# Altium PCB EMDO601_Patch.PcbDoc (part 1 of 3) (continued)
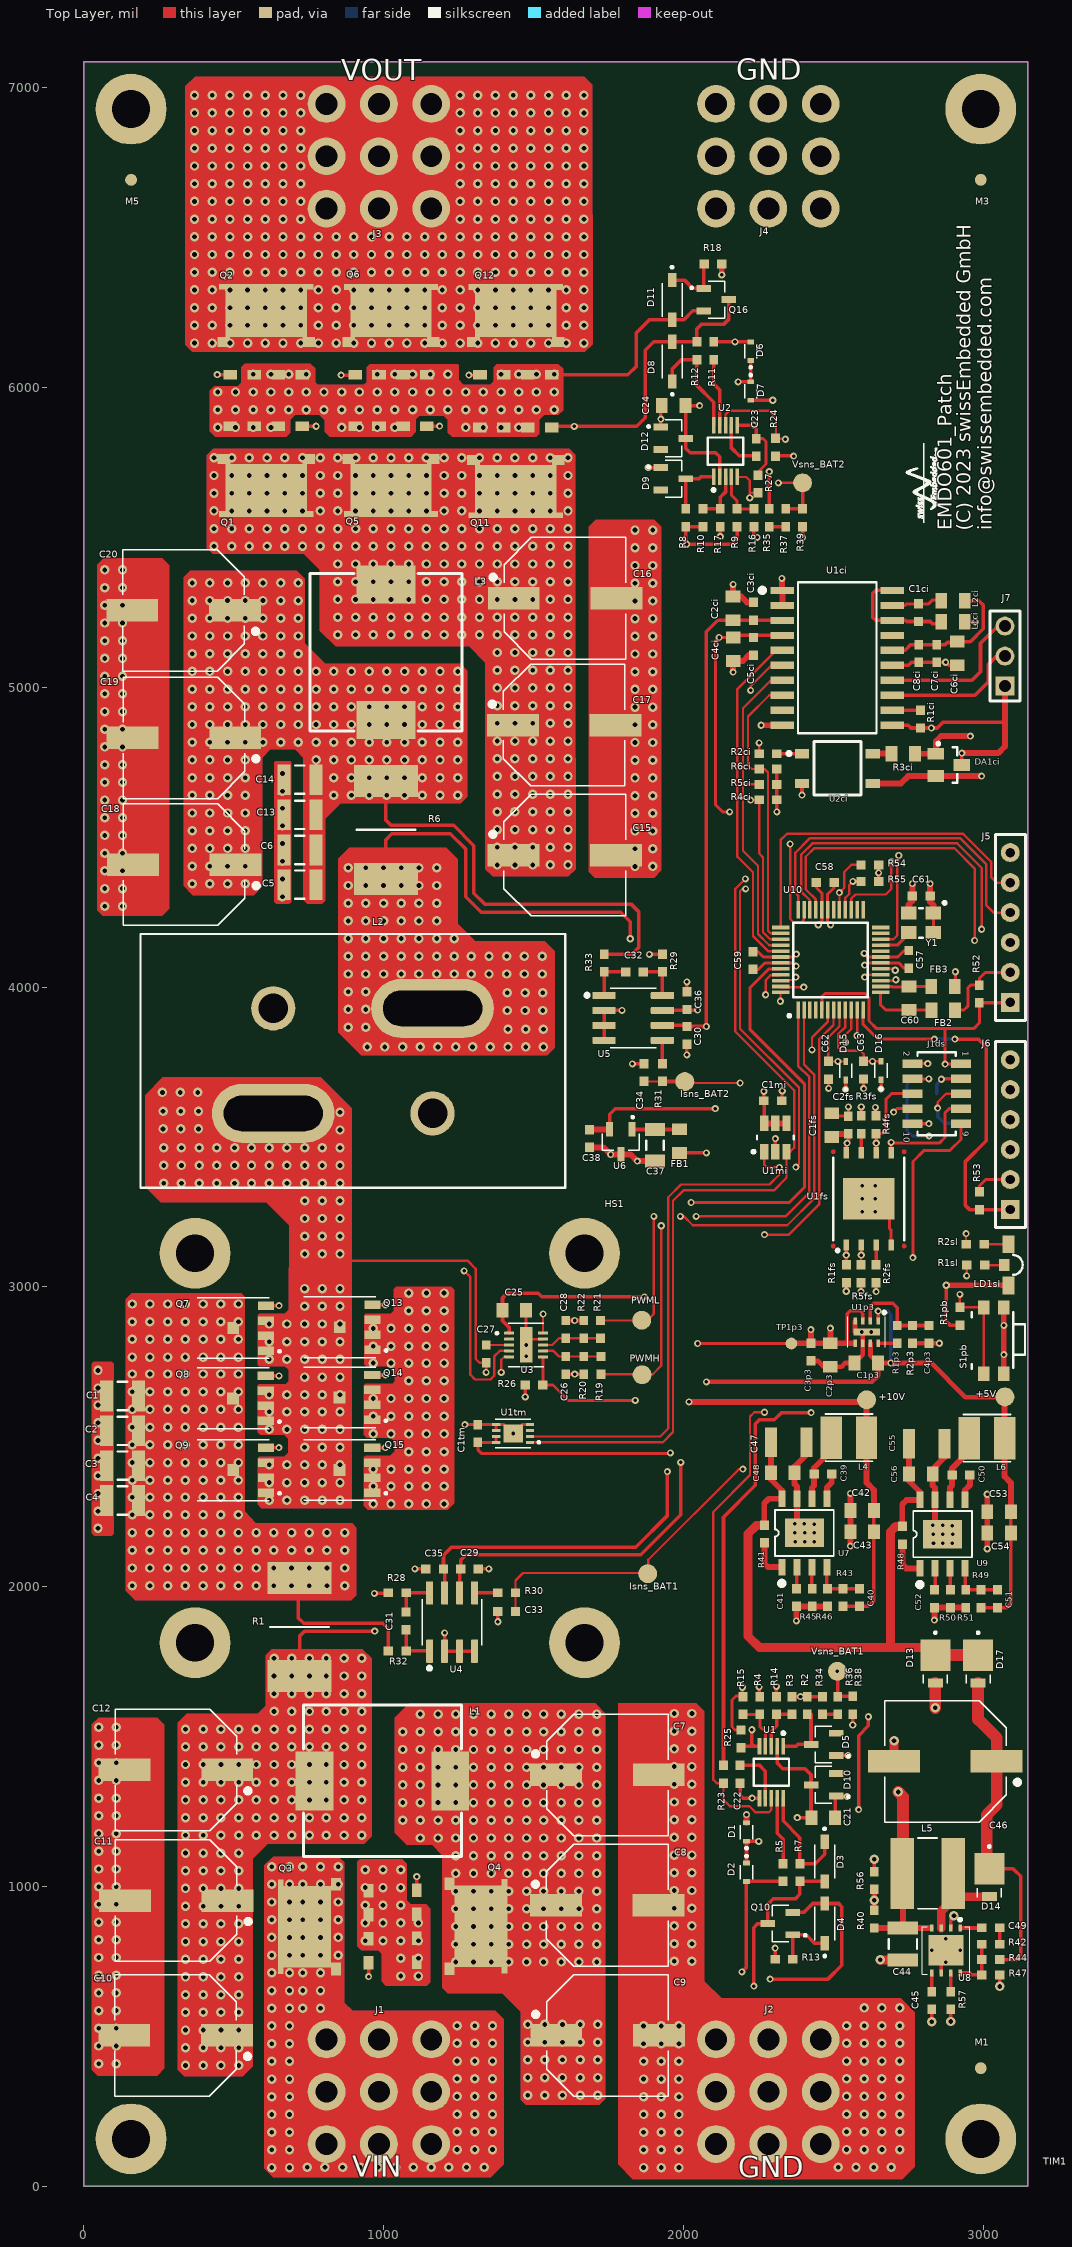
[diagram p0: Top Layer view]
## Footprints (in the part's own frame and the unit in brackets; to place one, negate y for a bottom-side part, rotate by r counter-clockwise, add the part's x,y. Pads: shape width x height; smd on the part's side, far side on the other; paste and mask are expansions set on the pad) (continued)
  silkscreen extent -2.2,-1.56 0.7,1.56, body extent -1.2,-1.45 1.1,1.45, height 1.1
"SW WURTH" [mm] "Wurth Switch"
  rect 1.2x1 smd: 1(2.8,0.85) 2(2.8,-0.85) 3(-2.8,0.85) 4(-2.8,-0.85)
  silkscreen extent -2.4,-2.65 2.4,1.85, body extent -2.3,-1.65 2.3,1.75, height 1.65
"TI SIL" [mm] "TI MicroSIP"
  rect 0.6x2.25 smd paste-5: 0(0,0)
  rect 0.6x0.3 smd: 1(-0.95,0.975) 2(-0.95,0.325) 3(-0.95,-0.325) 4(-0.95,-0.975) 5(0.95,-0.975) 6(0.95,-0.325) 7(0.95,0.325) 8(0.95,0.975)
  silkscreen extent -1.75,-1.6 1.3,1.6, body extent -1.3,-1.5 1.3,1.5, height 1.41
TIM [mil] "CAPACITOR SMD 1210"
TP [mm] "Testpoint"
  round 1 smd paste-1: 1(0,0)
TP_1 [mm] "Testpoint"
  round 1.6 smd: 1(0,0)
TQFP-48 [mm]
  rect 1.475x0.3 smd: 1(-4.238,2.75) 2(-4.238,2.25) 3(-4.238,1.75) 4(-4.238,1.25) 5(-4.238,0.75) 6(-4.238,0.25) 7(-4.238,-0.25) 8(-4.238,-0.75) 9(-4.238,-1.25) 10(-4.238,-1.75) 11(-4.238,-2.25) 12(-4.238,-2.75) 25(4.238,-2.75) 26(4.238,-2.25) 27(4.238,-1.75) 28(4.238,-1.25) 29(4.238,-0.75) 30(4.238,-0.25) 31(4.238,0.25) 32(4.238,0.75) 33(4.238,1.25) 34(4.238,1.75) 35(4.238,2.25) 36(4.238,2.75)
  rect 0.3x1.475 smd: 13(-2.75,-4.238) 14(-2.25,-4.238) 15(-1.75,-4.238) 16(-1.25,-4.238) 17(-0.75,-4.238) 18(-0.25,-4.238) 19(0.25,-4.238) 20(0.75,-4.238) 21(1.25,-4.238) 22(1.75,-4.238) 23(2.25,-4.238) 24(2.75,-4.238) 37(2.75,4.238) 38(2.25,4.238) 39(1.75,4.238) 40(1.25,4.238) 41(0.75,4.238) 42(0.25,4.238) 43(-0.25,4.238) 44(-0.75,4.238) 45(-1.25,4.238) 46(-1.75,4.238) 47(-2.25,4.238) 48(-2.75,4.238)
  silkscreen extent -4.85,-3.15 3.15,3.62, body extent -4.5,-4.5 4.5,4.5, height 1.2
VSON-10 [mm]
  rrect25% 0.84x0.26 smd: 1(-1.435,1) 2(-1.435,0.5) 3(-1.435,0) 4(-1.435,-0.5) 5(-1.435,-1) 6(1.435,-1) 7(1.435,-0.5) 8(1.435,0) 9(1.435,0.5) 10(1.435,1)
  rect 1.05x3.01 smd paste-3: 11(0,0)
  silkscreen extent -2.57,-1.83 1.5,1.83, body extent -1.5,-1.5 1.5,1.5, height 1
WSON8-LM5001 [mm]
  rect 0.6x0.3 smd: 1(-1.9,1.2) 2(-1.9,0.4) 3(-1.9,-0.4) 4(-1.9,-1.2) 5(1.9,-1.2) 6(1.9,-0.4) 7(1.9,0.4) 8(1.9,1.2)
  round 0.6 hole 0.3: 9(-1,0) 9(0,1.2) 9(0,-1.2) 9(1,0)
  rect 2.6x3 smd: 9(0,0)
  silkscreen extent -2.72,-2 2,2, body extent -2,-2 2,2, height 0.77

## Part data
+5V +10V Isns_BAT1 Isns_BAT2 PWMH PWML Vsns_BAT1 Vsns_BAT2: library part TP, "Testpoint", Manufacturer=None, Manufacturer Part Number="Testpads, do not populate"
C1 C2 C3 C4 C5 C6 C13 C14 C44: library part C3225X7R1N106K250AC, "10uF ±10% 75V", Manufacturer=TDK, Supplier Part Number=810-C3225X7R1N106K25, Manufacturer Part Number=C3225X7R1N106K250AC, Price=0.9, Supplier=mouser
C1ci: library part CAP_YAG_CC0603KRX7R9BB224_X7R, "Capacitor 220n 0603 +-10% 50V", Manufacturer=Yageo, Manufacturer Part Number=CC0603KRX7R9BB224, Package / Case=0603, Tolerance=+-10%, Voltage (V)=50, Capacitor (Farad)=220n, Category=Capacitor, Part Number=CAP_YAG_CC0603KRX7R9BB224_X7R, Thickness (mm)=0.8, Type=X7R
C1fs C1p3 C2ci C2p3 C4ci C6ci C60: library part CAP_YAG_CC0805KRX5R6BB106_X5R, "Capacitor 10u 0805 +-10% 10V", Manufacturer=Yageo, Manufacturer Part Number=CC0805KKX7R6BB106, Package / Case=0805, Part Number=CAP_YAG_CC0805KKX7R6BB106_X7R, Tolerance=+-10%, Voltage (V)=10, Capacitor (Farad)=10u, Category=Capacitor, Thickness (mm)=1.25, Type=X7R
C1mi C1tm C2fs C3p3 C39 C50: library part CAP_YAG_CC0603KRX7R9BB104_X7R, "Capacitor 100n 0603 +-10% 50V", Manufacturer=Yageo, Manufacturer Part Number=CC0603KRX7R9BB104, Package / Case=0603, Tolerance=+-10%, Voltage (V)=50, Capacitor (Farad)=100n, Category=Capacitor, Part Number=CAP_YAG_CC0603KRX7R9BB104_X7R, Thickness (mm)=0.8, Type=X7R
C3ci C5ci C7ci C27 C29 C30 C31 C32 C33 C34 C35 C36: library part CAP_YAG_CC0603KRX7R9BB104_X7R, "100nF ±10% 50V", Manufacturer=Yageo, Manufacturer Part Number=CC0603KRX7R9BB104, Package / Case=0603, Supplier Part Number=603-CC0603KRX7R9BB104, Tolerance=+-10%, Voltage (V)=50, Capacitor (Farad)=100n, Category=Capacitor, Part Number=CAP_YAG_CC0603KRX7R9BB104_X7R, Price=0.1, Supplier=mouser, Thickness (mm)=0.8, Type=X7R
C4p3: library part CAP_YAG_CC0603KRNPO9BN471_NPO, "Capacitor 470p 0603 +-10% 50V", Manufacturer=Yageo, Manufacturer Part Number=CC0603KRNPO9BN471, Package / Case=0603, Supplier Part Number=603-CC0603KRNPO9BN471, Tolerance=+-10%, Voltage (V)=50, Capacitor (Farad)=470p, Category=Capacitor, Part Number=CAP_YAG_CC0603KRNPO9BN471_NPO, Price=0.1, Supplier=Mouser, Thickness (mm)=0.8, Type=NPO
C7 C8 C9 C10 C11 C12: library part "100uF ±20% 80V", "100uF ±20% 80V", Manufacturer="Vishay / BC Components", Manufacturer Part Number=MAL215099702E3, Supplier Part Number=594-MAL215099702E3, Price=2.4, Supplier=Mouser
C8ci: library part CAP_YAG_CC0603KRX7R9BB103_X7R, "Capacitor 10n 0603 +-10% 50V", Manufacturer=Yageo, Manufacturer Part Number=CC0603KRX7R9BB103, Package / Case=0603, Tolerance=+-10%, Voltage (V)=50, Capacitor (Farad)=10n, Category=Capacitor, Part Number=CAP_YAG_CC0603KRX7R9BB103_X7R, Thickness (mm)=0.8, Type=X7R
C15 C16 C17 C18 C19 C20 C46: library part "Cap Pol1", "100uF ±20% 63V", Manufacturer=KEMET, Manufacturer Part Number=A771MS107M1JLAS018, Supplier Part Number=80-A771MS107M1JLAS18, Price=1.26, Supplier=mouser
C21 C24: library part "10nF ±10% 100V", "10nF ±10% 100V", Capacitor (Farad)=10n, Manufacturer=Yageo, Manufacturer Part Number=CC0805KPX7R0BB103, Package / Case=0603, Supplier Part Number=603-CC0805KPX7R0BB103, Tolerance=+-10%, Voltage (V)=100, Category=Capacitor, Price=0.1, Supplier=mouser, Thickness (mm)=0.8, Type=X7R
C22 C23: library part "47nF ±10% 50V", "47nF ±10% 50V", Manufacturer=Yageo, Manufacturer Part Number=CC0603KRX7R9BB473, Package / Case=0603, Supplier Part Number=603-CC0603KRX7R9BB473, Tolerance=+-10%, Voltage (V)=50, Capacitor (Farad)=47n, Category=Capacitor, Price=0.1, Supplier=mouser, Thickness (mm)=0.8, Type=X7R
C25 C42 C43 C53 C54: library part CAP, "10uF ±10% 25V", Manufacturer=Yageo, Manufacturer Part Number=CC0805KKX5R8BB106, Supplier Part Number=603-CC0805KKX5R8BB106, Price=0.3, Supplier=mouser
C26 C28: library part CAP, "100pF ±10% 50V", Manufacturer=Yageo, Manufacturer Part Number=CC0603KRNPO9BN101, Supplier Part Number=603-CC0603KRNPO9BN101, Price=0.1, Supplier=mouser
C37: library part "10uF ± 10% 25V", "10uF ± 10% 25V", Manufacturer=Yageo, Manufacturer Part Number=CC1206KKX7R8BB106, Supplier Part Number=603-CC126KKX7R8BB106, Tolerance=+-10%, Voltage (V)=25, Category=Capacitor, Price=0.44, Supplier=Mouser, Type=X7R
C38: library part "100nF ± 10% 50V", "100nF ± 10% 50V", Manufacturer=Yageo, Manufacturer Part Number=CC0603KRX7R9BB104, Supplier Part Number=603-CC603KRX7R9BB104, Price=0.1, Supplier=Mouser
C40 C51: library part CAP_YAG_CC0603KRNPO9BN681_NPO, "Capacitor 680p 0603 +-10% 50V", Manufacturer=Yageo, Manufacturer Part Number=CC0603KRX7R9BB681, Package / Case=0603, Part Number=CAP_YAG_CC0603KRX7R9BB681_X7R, Tolerance=+-10%, Voltage (V)=50, Capacitor (Farad)=680p, Category=Capacitor, Thickness (mm)=0.8, Type=X7R
C41 C52: library part CAP_YAG_CC0603KRX5R8BB105_X5R, "Capacitor 1.0u 0603 +-10% 25V", Manufacturer=Yageo, Manufacturer Part Number=CC0603KRX5R8BB105, Package / Case=0603, Tolerance=+-10%, Voltage (V)=25, Capacitor (Farad)=1.0u, Category=Capacitor, Part Number=CAP_YAG_CC0603KRX5R8BB105_X5R, Thickness (mm)=0.8, Type=X5R
C45: library part CAP_YAG_CC0603KRX7R9BB105_X7R, "Capacitor 1.0u 0603 +-10% 50V", Manufacturer=Yageo, Manufacturer Part Number=CC0603KRX7R9BB105, Package / Case=0603, Tolerance=+-10%, Voltage (V)=50, Capacitor (Farad)=1.0u, Category=Capacitor, Part Number=CAP_YAG_CC0603KRX7R9BB105_X7R, Thickness (mm)=0.8, Type=X7R
C47 C55: library part GRM32ER71J106KA12L, "CAPACITOR 10u/63V, 1210 X7R", Manufacturer=Murata, Package=1210, Voltage=63V, Category=Capacitors, Manufacturer Part Number=GRM32ER71J106KA12L
C48 C56: library part C0805C104KMRECAUTO, "Capacitor 100n 0603 +-10% 63V", Manufacturer=KEMET, Manufacturer Part Number=C0805C104KMRECAUTO
C49: library part CAP_YAG_CC0603KRX7R9BB222_X7R, "Capacitor 2.2n 0603 +-10% 50V", Manufacturer=Yageo, Manufacturer Part Number=CC0603KRX7R9BB222, Package / Case=0603, Tolerance=+-10%, Voltage (V)=50, Capacitor (Farad)=2.2n, Category=Capacitor, Part Number=CAP_YAG_CC0603KRX7R9BB222_X7R, Thickness (mm)=0.8, Type=X7R
C57 C58 C59 C61: library part CAP_YAG_CC0603KRX7R9BB104_X7R, "Capacitor 100n 0603 +-10% 50V", Manufacturer Part Number=CC0603KRX7R9BB104, Package / Case=0603, Tolerance=+-10%, Voltage (V)=50, Capacitor (Farad)=100n, Category=Capacitor, Part Number=CAP_YAG_CC0603KRX7R9BB104_X7R, Thickness (mm)=0.8, Type=X7R
C62 C63: library part CAP, "1nF ±10% 50V", Manufacturer=Yageo, Manufacturer Part Number=CC0603KRNPO9BN102, Supplier Part Number=603-CC0603KRNPO9BN102, Price=0.1, Supplier=mouser
D1 D2 D6 D7: "Diodes - General Purpose, Power, Switching BAS516/SOD523/SC-79", Manufacturer=Nexperia, Supplier Part Number=771-BAS516-T/R, Manufacturer Part Number=BAS516,115, Price=0.2, Supplier=mouser
D3 D4 D8 D11: "Diode Standard 100 V 300mA (DC) Surface Mount SOD-123", Manufacturer=Diodes, Supplier Part Number=621-1N4148W-F, Manufacturer Part Number=1N4148W-7-F, Price=0.2, Supplier=mouser
D5 D9 D10 D12: library part BZX8450-C68R, "Zener Diodes BZX8450-C68/SOT23/TO-236AB", Manufacturer=Nexperia, Supplier Part Number=771-BZX8450-C68R, Manufacturer Part Number=BZX8450-C68R, Price=0.2, Supplier=mouser
D13 D14 D17: "Schottky Diodes & Rectifiers 100V 3A TMBS SMP", Manufacturer=Vishay, Supplier Part Number=78-V3PM10-M3/H, Manufacturer Part Number=V3PM10-M3/H, Price=0.4, Supplier=mouser
D15 D16: "Schottky Diodes & Rectifiers 40V 150mW", Manufacturer="Diodes Incorporated", Supplier Part Number=621-SDM03U40-F, Manufacturer Part Number=SDM03U40-7, Price=0.23, Supplier=mouser
DA1ci: library part PESD2CANFD27L-T, "PESD2CANFD27L-T protection diode nexperia PESD2CANFD27L-T", Manufacturer=nexperia, Manufacturer Part Number=PESD2CANFD27L-TR
FB1 FB2 FB3: "FERRITE BEAD 1 KOHM 0805 1LN", Manufacturer="Murata Electronics", Manufacturer Part Number=BLM21BD102SN1D
HS1: "Heat Sinks pushPIN Heat Sink, Blue-Anodized, 40x40x20mm", Manufacturer="Advanced Thermal Solutions", Supplier Part Number=984-CPX04004-115C2R0, Manufacturer Part Number=ATS-CPX040040020-115-C2-R0, Price=3.6, Supplier=mouser
J1 J2 J3 J4: "WP-THRSH REDCUBE THR with external thread, M4 x 5mm, 85A", Manufacturer="Wurth Elektronik", Operating Temperature Max=150°C, Operating Temperature Min=-55°C, Rated Current=85A, Supplier Part Number=710-74651195R, Category="REDCUBE THR", ComponentLink1Description="Website Link", ComponentLink1URL=https://www.we-online.com/redexpert/article/74651194R?ad, ComponentLink2Description="Datasheet Link", ComponentLink2URL=https://www.we-online.com/redexpert/spec/74651194R?ad, Height=8.5mm, Length=10mm, Manufacturer Part Number=74651194R, Match Code=WP-THRSH, Material=Brass, Mount="Through Hole Reflow", Number of Pins=9, Packaging="Tape and Reel", Price=3.5, Supplier=Mouser, Surface=Tin, Thread Length=5mm, Thread Size=M4, Width=10mm
J1ds: library part DEBUG_CON, "SWISSEMBEDDED Debug Header for PIC32 1.27mm Socket 2x7 Würth 62301021021", Manufacturer=Würth, Manufacturer Part Number=62301021021
J5 J6: library part 6PinConnector, "6 Pins 2.54mm Pitch Male Connector", Manufacturer="Wurth Elektronik", Manufacturer Part Number=61300611121
J7: "Headers & Wire Housings WR-PHD 2.54mm Hdr 3P Single Str Gold", Manufacturer=Wurth, Supplier Part Number=710-61300311121, Manufacturer Part Number=61300311121, Price=0.13, Supplier=Mouser
L1: library part IHLP5050FDER3R3M5A, "Power Inductors - SMD 3.3uH 20% High Temp AEC-Q200", Manufacturer=Vishay, Supplier Part Number=70-IHLP5050FDR3R3M5A, Manufacturer Part Number=IHLP5050FDER3R3M5A, Price=2.12, Supplier=mouser
L1ci L2ci: library part BLM21PG221SN1, "Murata BLM21PG221SN1 ferrite", Manufacturer=Murata, Manufacturer Part Number=BLM21PG221SN1D
L2: library part 7443763521033, "Power Inductors - Leaded WE-HCFT 3521 3.3uH 20% 75A 0.4mOh", Manufacturer="Wurth Elektronik", Supplier Part Number=710-7443763521033, Manufacturer Part Number=7443763521033, Price=12, Supplier=mouser
L3: library part IHLP5050EZERR22M5A, "Power Inductors - SMD 0.22uH 20% High Temp AEC-Q200", Manufacturer=Vishay, Supplier Part Number=70-IHLP5050EZRR22M5A, Manufacturer Part Number=IHLP5050EZERR22M5A, Price=2.4, Supplier=mouser
L4 L6: library part MPL-SE4030-150, "Power Inductors - SMD SemiShielded Series, size dimension: 403", Manufacturer=MPS, Author="CERN DEM JLC", Manufacturer Part Number=MPL-SE4030-150
L5: library part Inductor, "Power Inductors - SMD 220uH 20% SMD 6045", Manufacturer=Bourns, Manufacturer Part Number=SRN6045-221M, Supplier Part Number=652-SRN6045-221M, Price=0.5, Supplier=mouser
LD1sl: "LED GREEN/RED WTR CLEAR 1204 SM1204BC Bivar", Manufacturer="Bivar Inc", ComponentLink1Description=http://www.bivar.com/portals/0/products/SM1204BC.pdf, ComponentLink1URL=http://www.bivar.com/portals/0/products/SM1204BC.pdf, Manufacturer Part Number=SM1204BC
M1 M2 M3 M4 M5 M6: library part M, Text Field2=-1
Q1 Q2 Q3 Q4 Q5 Q6 Q11 Q12: "MOSFET N-Ch 80V 430A", Manufacturer="Vishay Semiconductors", Supplier Part Number=78-SQJQ184E-T1_GE3, Manufacturer Part Number=SQJQ184E-T1_GE3, Price=3.4, Supplier=mouser
Q7 Q8 Q9 Q13 Q14 Q15: "MOSFET N-Ch 80V 153A, 28nC", Manufacturer="Vishay Semiconductors", Supplier Part Number=78-SIDR5802EP-T1-RE3, Manufacturer Part Number=SIDR5802EP-T1-RE3, Price=3, Supplier=mouser
Q10 Q16: "Bipolar Transistors - BJT 80V 300mW", Manufacturer="Diodes Incorporated", Supplier Part Number=621-MMBTA06-F, Manufacturer Part Number=MMBTA06-7-F, Price=0.22, Supplier=mouser
R1: library part WSLP39212L000FEA, "5W/ 2mohm±1%", Manufacturer="Vishay / Dale", Supplier Part Number=71-WSLP39212L000FEA, Manufacturer Part Number=WSLP39212L000FEA, Price=1.8, Supplier=mouser
R1ci: library part "47 kohm ±1% 0.1W", "47 kohm ±1% 0.1W", Manufacturer=Yageo, Manufacturer Part Number=RC0603FR-0747KL, Operating Temperature="-55°C to +155°C", Package / Case=0603, Power (Watts)=0.1, Supplier Part Number=603-RC0603FR-0747KL, Temperature Coefficient=+-200ppm°C, Tolerance=+-1%, Voltage (V)=75, Category=Resistor, Price=0.1, Resistor (Ohms)=47k, Supplier=mouser, Thickness (mm)=0.45
R1fs R1pb R4ci R4fs R5ci R6ci R52 R53 R54 R55: library part RES_YAG_RC0603FR-074K7L, "Resistor 4.7k 0603 +-1% 0.1", Manufacturer=Yageo, Manufacturer Part Number=RC0603FR-074K7L, Operating Temperature="-55°C to +155°C", Package / Case=0603, Power (Watts)=0.1, Temperature Coefficient=+-200ppm°C, Tolerance=+-1%, Voltage (V)=75, Category=Resistor, Part Number=RES_YAG_RC0603FR-074K7L, Resistor (Ohms)=4.7k, Thickness (mm)=0.45
R1p3: library part RES_YAG_RC0603FR-07118KL, "Resistor 118k 0603 +-1% 0.1", Manufacturer=Yageo, Manufacturer Part Number=RC0603FR-07118KL, Operating Temperature="-55°C to +155°C", Package / Case=0603, Power (Watts)=0.1, Temperature Coefficient=+-200ppm°C, Tolerance=+-1%, Voltage (V)=75, Category=Resistor, Part Number=RES_YAG_RC0603FR-07118KL, Resistor (Ohms)=118k, Thickness (mm)=0.45
R1sl R2sl: library part RES_YAG_RC0603FR-07270RL, "Resistor 270 0603 +-1% 0.1", Manufacturer=Yageo, Manufacturer Part Number=RC0603FR-07270RL, Operating Temperature="-55°C to +155°C", Package / Case=0603, Power (Watts)=0.1, Temperature Coefficient=+-200ppm°C, Tolerance=+-1%, Voltage (V)=75, Category=Resistor, Part Number=RES_YAG_RC0603FR-07270RL, Resistor (Ohms)=270, Thickness (mm)=0.45
R2: library part "2.87 kohm ±1% 0.1W", "2.87 kohm ±1% 0.1W", Manufacturer=Yageo, Manufacturer Part Number=RC0603FR-072K87L, Operating Temperature="-55°C to +155°C", Package / Case=0603, Power (Watts)=0.1, Supplier Part Number=603-RC0603FR-072K87L, Temperature Coefficient=+-200ppm°C, Tolerance=+-1%, Voltage (V)=75, Category=Resistor, Price=0.1, Resistor (Ohms)=2.87k, Supplier=mouser, Thickness (mm)=0.45
R2ci: library part RES_YAG_RC0603FR-07470RL, "Resistor 470 0603 +-1% 0.1", Manufacturer=Yageo, Manufacturer Part Number=RC0603FR-07470RL, Operating Temperature="-55°C to +155°C", Package / Case=0603, Power (Watts)=0.1, Temperature Coefficient=+-200ppm°C, Tolerance=+-1%, Voltage (V)=75, Category=Resistor, Part Number=RES_YAG_RC0603FR-07470RL, Resistor (Ohms)=470, Thickness (mm)=0.45
R2fs R3fs R5fs R46 R51: library part RES_YAG_RC0603FR-0710KL, "Resistor 10k 0603 +-1% 0.1", Manufacturer=Yageo, Manufacturer Part Number=RC0603FR-0710KL, Operating Temperature="-55°C to +155°C", Package / Case=0603, Power (Watts)=0.1, Temperature Coefficient=+-200ppm°C, Tolerance=+-1%, Voltage (V)=75, Category=Resistor, Part Number=RES_YAG_RC0603FR-0710KL, Resistor (Ohms)=10k, Thickness (mm)=0.45
R2p3: library part RES_YAG_RC0603FR-07150KL, "Resistor 150k 0603 +-1% 0.1", Manufacturer=Yageo, Manufacturer Part Number=RC0603FR-07150KL, Operating Temperature="-55°C to +155°C", Package / Case=0603, Power (Watts)=0.1, Temperature Coefficient=+-200ppm°C, Tolerance=+-1%, Voltage (V)=75, Category=Resistor, Part Number=RES_YAG_RC0603FR-07150KL, Resistor (Ohms)=150k, Thickness (mm)=0.45
R3 R10 R36 R37: library part "100 kohm ±1% 0.1W", "100 kohm ±1% 0.1W", Manufacturer=Yageo, Manufacturer Part Number=RC0603FR-07100KL, Operating Temperature="-55°C to +155°C", Package / Case=0603, Power (Watts)=0.1, Supplier Part Number=603-RC0603FR-07100KL, Temperature Coefficient=+-200ppm°C, Tolerance=+-1%, Voltage (V)=75, Category=Resistor, Price=0.1, Resistor (Ohms)=100k, Supplier=mouser, Thickness (mm)=0.45
R3ci: library part RES_YAG_RC0805FR-07120RL, "Resistor 120 0805 +-1% 0.125", Manufacturer=Yageo, Manufacturer Part Number=RC0805FR-07120RL, Operating Temperature="-55°C to +155°C", Package / Case=0805, Power (Watts)=0.125, Temperature Coefficient=+-200ppm°C, Tolerance=+-1%, Voltage (V)=150, Category=Resistor, Part Number=RES_YAG_RC0805FR-07120RL, Resistor (Ohms)=120, Thickness (mm)=0.5
R4 R5 R9: library part "20.5 kohm ±1% 0.1W", "20.5 kohm ±1% 0.1W", Manufacturer=Yageo, Manufacturer Part Number=RC0603FR-0720K5L, Operating Temperature="-55°C to +155°C", Package / Case=0603, Power (Watts)=0.1, Supplier Part Number=603-RC0603FR-0720K5L, Temperature Coefficient=+-200ppm°C, Tolerance=+-1%, Voltage (V)=75, Category=Resistor, Price=0.1, Resistor (Ohms)=20.5k, Thickness (mm)=0.45
  R4 R9: Suppier=mouser
  R5: Supplier=mouser
R6: library part WSLP3921L5000FEB, "9W/ 0.5mohm±1%", Manufacturer="Vishay / Dale", Supplier Part Number=71-WSLP3921L5000FEB, Manufacturer Part Number=WSLP3921L5000FEB, Price=2, Supplier=mouser
R7 R12: library part "2 kohm ±1% 0.1W", "2 kohm ±1% 0.1W", Manufacturer=Yageo, Manufacturer Part Number=RC0603FR-072KL, Operating Temperature="-55°C to +155°C", Package / Case=0603, Power (Watts)=0.1, Supplier Part Number=603-RC0603FR-072KL, Temperature Coefficient=+-200ppm°C, Tolerance=+-1%, Voltage (V)=75, Category=Resistor, Price=0.1, Resistor (Ohms)=2k, Supplier=mouser, Thickness (mm)=0.45
R8: library part "3.9 kohm ±1% 0.1W", "3.9 kohm ±1% 0.1W", Manufacturer=Yageo, Manufacturer Part Number=RC0603FR-073K9L, Operating Temperature="-55°C to +155°C", Package / Case=0603, Power (Watts)=0.1, Supplier Part Number=603-RC0603FR-073K9L, Temperature Coefficient=+-200ppm°C, Tolerance=+-1%, Voltage (V)=75, Category=Resistor, Price=0.1, Resistor (Ohms)=3.9k, Supplier=mouser, Thickness (mm)=0.45
R11 R15 R16: library part "5.1kohm ±1% 0.1W", "5.1kohm ±1% 0.1W", Manufacturer=Yageo, Manufacturer Part Number=RC0603FR-075K1L, Operating Temperature="-55°C to +155°C", Package / Case=0603, Power (Watts)=0.1, Supplier Part Number=603-RC0603FR-075K1L, Temperature Coefficient=+-200ppm°C, Tolerance=+-1%, Voltage (V)=75, Category=Resistor, Price=0.1, Resistor (Ohms)=5.1k, Supplier=mouser, Thickness (mm)=0.45
R13 R18: library part "330 kohm ±1% 0.1W", "330 kohm ±1% 0.1W", Manufacturer=Yageo, Manufacturer Part Number=RC0603FR-07330KL, Operating Temperature="-55°C to +155°C", Package / Case=0603, Power (Watts)=0.1, Supplier Part Number=603-RC0603FR-07330KL, Temperature Coefficient=+-200ppm°C, Tolerance=+-1%, Voltage (V)=75, Category=Resistor, Price=0.1, Resistor (Ohms)=330k, Supplier=mouser, Thickness (mm)=0.45
R14 R17: library part "3.6kohm ±1% 0.1W", "3.6kohm ±1% 0.1W", Manufacturer=Yageo, Manufacturer Part Number=RC0603FR-073K6L, Operating Temperature="-55°C to +155°C", Package / Case=0603, Power (Watts)=0.1, Supplier Part Number=603-RC0603FR-073K6L, Temperature Coefficient=+-200ppm°C, Tolerance=+-1%, Voltage (V)=75, Category=Resistor, Price=0.1, Resistor (Ohms)=3.6k, Supplier=mouser, Thickness (mm)=0.45
R19 R21: library part RES, "0.1W/ 2.2 ohm±1%", Manufacturer=Yageo, Manufacturer Part Number=RC0603FR-072R2L, Supplier Part Number=603-RC0603FR-072R2L, Price=0.1, Supplier=mouser
R20 R22 R23 R24 R25 R26 R27: library part RES, "0.1W/ 10kohm±1%", Manufacturer=Yageo, Manufacturer Part Number=RC0603FR-0710KL, Supplier Part Number=603-RC0603FR-0710KL, Price=0.1, Supplier=mouser
R28 R29 R32 R33: library part "10 ohm ±1% 0.1W", "10 ohm ±1% 0.1W", Manufacturer=Yageo, Manufacturer Part Number=RC0603FR-0710RL, Operating Temperature="-55°C to +155°C", Package / Case=0603, Power (Watts)=0.1, Supplier Part Number=603-RC0603FR-0710RL, Temperature Coefficient=+-200ppm°C, Tolerance=+-1%, Voltage (V)=75, Category=Resistor, Price=0.1, Resistor (Ohms)=10R, Supplier=mouser, Thickness (mm)=0.45
R30 R31: library part "10 kohm ±1% 0.1W", "10 kohm ±1% 0.1W", Manufacturer=Yageo, Manufacturer Part Number=RC0603FR-0710KL, Operating Temperature="-55°C to +155°C", Package / Case=0603, Power (Watts)=0.1, Supplier Part Number=603-RC0603FR-0710KL, Temperature Coefficient=+-200ppm°C, Tolerance=+-1%, Voltage (V)=75, Category=Resistor, Price=0.1, Resistor (Ohms)=10k, Suppier=mouser, Thickness (mm)=0.45
R34 R35: library part RES, "0.1W/ 20 ohm±1%", Manufacturer=Yageo, Manufacturer Part Number=RC0603FR-0720RL, Supplier Part Number=603-RC0603FR-0720RL, Price=0.1, Supplier=mouser
R38 R39: library part RES, "0.1W/ 5.36kohm±1%", Manufacturer=Yageo, Manufacturer Part Number=RC0603FR-075K36L, Supplier Part Number=603-RC0603FR-075K36L, Price=0.1, Supplier=mouser
R40: library part "66.5 kohm ±1% 0.1W", "66.5 kohm ±1% 0.1W", Manufacturer=Yageo, Manufacturer Part Number=RC0603FR-0766K5L, Operating Temperature="-55°C to +155°C", Package / Case=0603, Power (Watts)=0.1, Supplier Part Number=603-RC0603FR-0766K5L, Temperature Coefficient=+-200ppm°C, Tolerance=+-1%, Voltage (V)=75, Category=Resistor, Price=0.1, Resistor (Ohms)=66.5k, Supplier=mouser, Thickness (mm)=0.45
R41 R48: library part RES_YAG_RC0603FR-07100KL, "Resistor 100k 0603 +-1% 0.1", Manufacturer=Yageo, Manufacturer Part Number=RC0603FR-07100KL, Operating Temperature="-55°C to +155°C", Package / Case=0603, Power (Watts)=0.1, Temperature Coefficient=+-200ppm°C, Tolerance=+-1%, Voltage (V)=75, Category=Resistor, Part Number=RES_YAG_RC0603FR-07100KL, Resistor (Ohms)=100k, Thickness (mm)=0.45
R42: library part "73.2 kohm ±1% 0.1W", "73.2 kohm ±1% 0.1W", Manufacturer=Yageo, Manufacturer Part Number=RC0603FR-0773K2L, Operating Temperature="-55°C to +155°C", Package / Case=0603, Power (Watts)=0.1, Supplier Part Number=603-RC0603FR-0773K2L, Temperature Coefficient=+-200ppm°C, Tolerance=+-1%, Voltage (V)=75, Category=Resistor, Price=0.1, Resistor (Ohms)=73.2k, Supplier=mouser, Thickness (mm)=0.45
R43: library part "90.9 kohm ±1% 0.1W", "90.9 kohm ±1% 0.1W", Manufacturer=Yageo, Manufacturer Part Number=RC0603FR-0790K9L, Operating Temperature="-55°C to +155°C", Package / Case=0603, Power (Watts)=0.1, Supplier Part Number=603-RC0603FR-0790K9L, Temperature Coefficient=+-200ppm°C, Tolerance=+-1%, Voltage (V)=75, Category=Resistor, Price=0.1, Resistor (Ohms)=90.9k, Suppier=mouser, Thickness (mm)=0.45
R44: library part "54.9 kohm ±1% 0.1W", "54.9 kohm ±1% 0.1W", Manufacturer=Yageo, Manufacturer Part Number=RC0603FR-0754K9L, Operating Temperature="-55°C to +155°C", Package / Case=0603, Power (Watts)=0.1, Supplier Part Number=603-RC0603FR-0754K9L, Temperature Coefficient=+-200ppm°C, Tolerance=+-1%, Voltage (V)=75, Category=Resistor, Price=0.1, Resistor (Ohms)=54.9k, Supplier=Mouser, Thickness (mm)=0.45
R45 R50: library part RES_YAG_RC0603FR-0730K9L, "Resistor 30.9k 0603 +-1% 0.1", Manufacturer=Yageo, Manufacturer Part Number=RC0603FR-0730K9L, Operating Temperature="-55°C to +155°C", Package / Case=0603, Power (Watts)=0.1, Temperature Coefficient=+-200ppm°C, Tolerance=+-1%, Voltage (V)=75, Category=Resistor, Part Number=RES_YAG_RC0603FR-0730K9L, Resistor (Ohms)=30.9k, Thickness (mm)=0.45
R47: library part "1.47 kohm ±1% 0.1W", "1.47 kohm ±1% 0.1W", Manufacturer=Yageo, Manufacturer Part Number=RC0603FR-071K47L, Operating Temperature="-55°C to +155°C", Package / Case=0603, Power (Watts)=0.1, Supplier Part Number=603-RC0603FR-071K47L, Temperature Coefficient=+-200ppm°C, Tolerance=+-1%, Voltage (V)=75, Category=Resistor, Price=0.1, Resistor (Ohms)=1.47k, Supplier=Mouser, Thickness (mm)=0.45
R49: library part RES_YAG_RC0603FR-0740K2L, "Resistor 40.2k 0603 +-1% 0.1", Manufacturer=Yageo, Manufacturer Part Number=RC0603FR-0740K2L, Operating Temperature="-55°C to +155°C", Package / Case=0603, Power (Watts)=0.1, Temperature Coefficient=+-200ppm°C, Tolerance=+-1%, Voltage (V)=75, Category=Resistor, Part Number=RES_YAG_RC0603FR-0740K2L, Resistor (Ohms)=40.2k, Thickness (mm)=0.45